# Altium PCB GridSeed_Rev03.PcbDoc (part 1 of 5)
Units mm, origin at the board's own origin, x right, y up, seen from the top; angles counter-clockwise.
Board outline 91 x 132.3 mm, 4 copper layers (L1, L2, L3, L4), stack 1.577 mm thick; 522 components, 141 nets, 2177 pads, 2361 vias.
Unrouted connection lines stored in the file: 44.
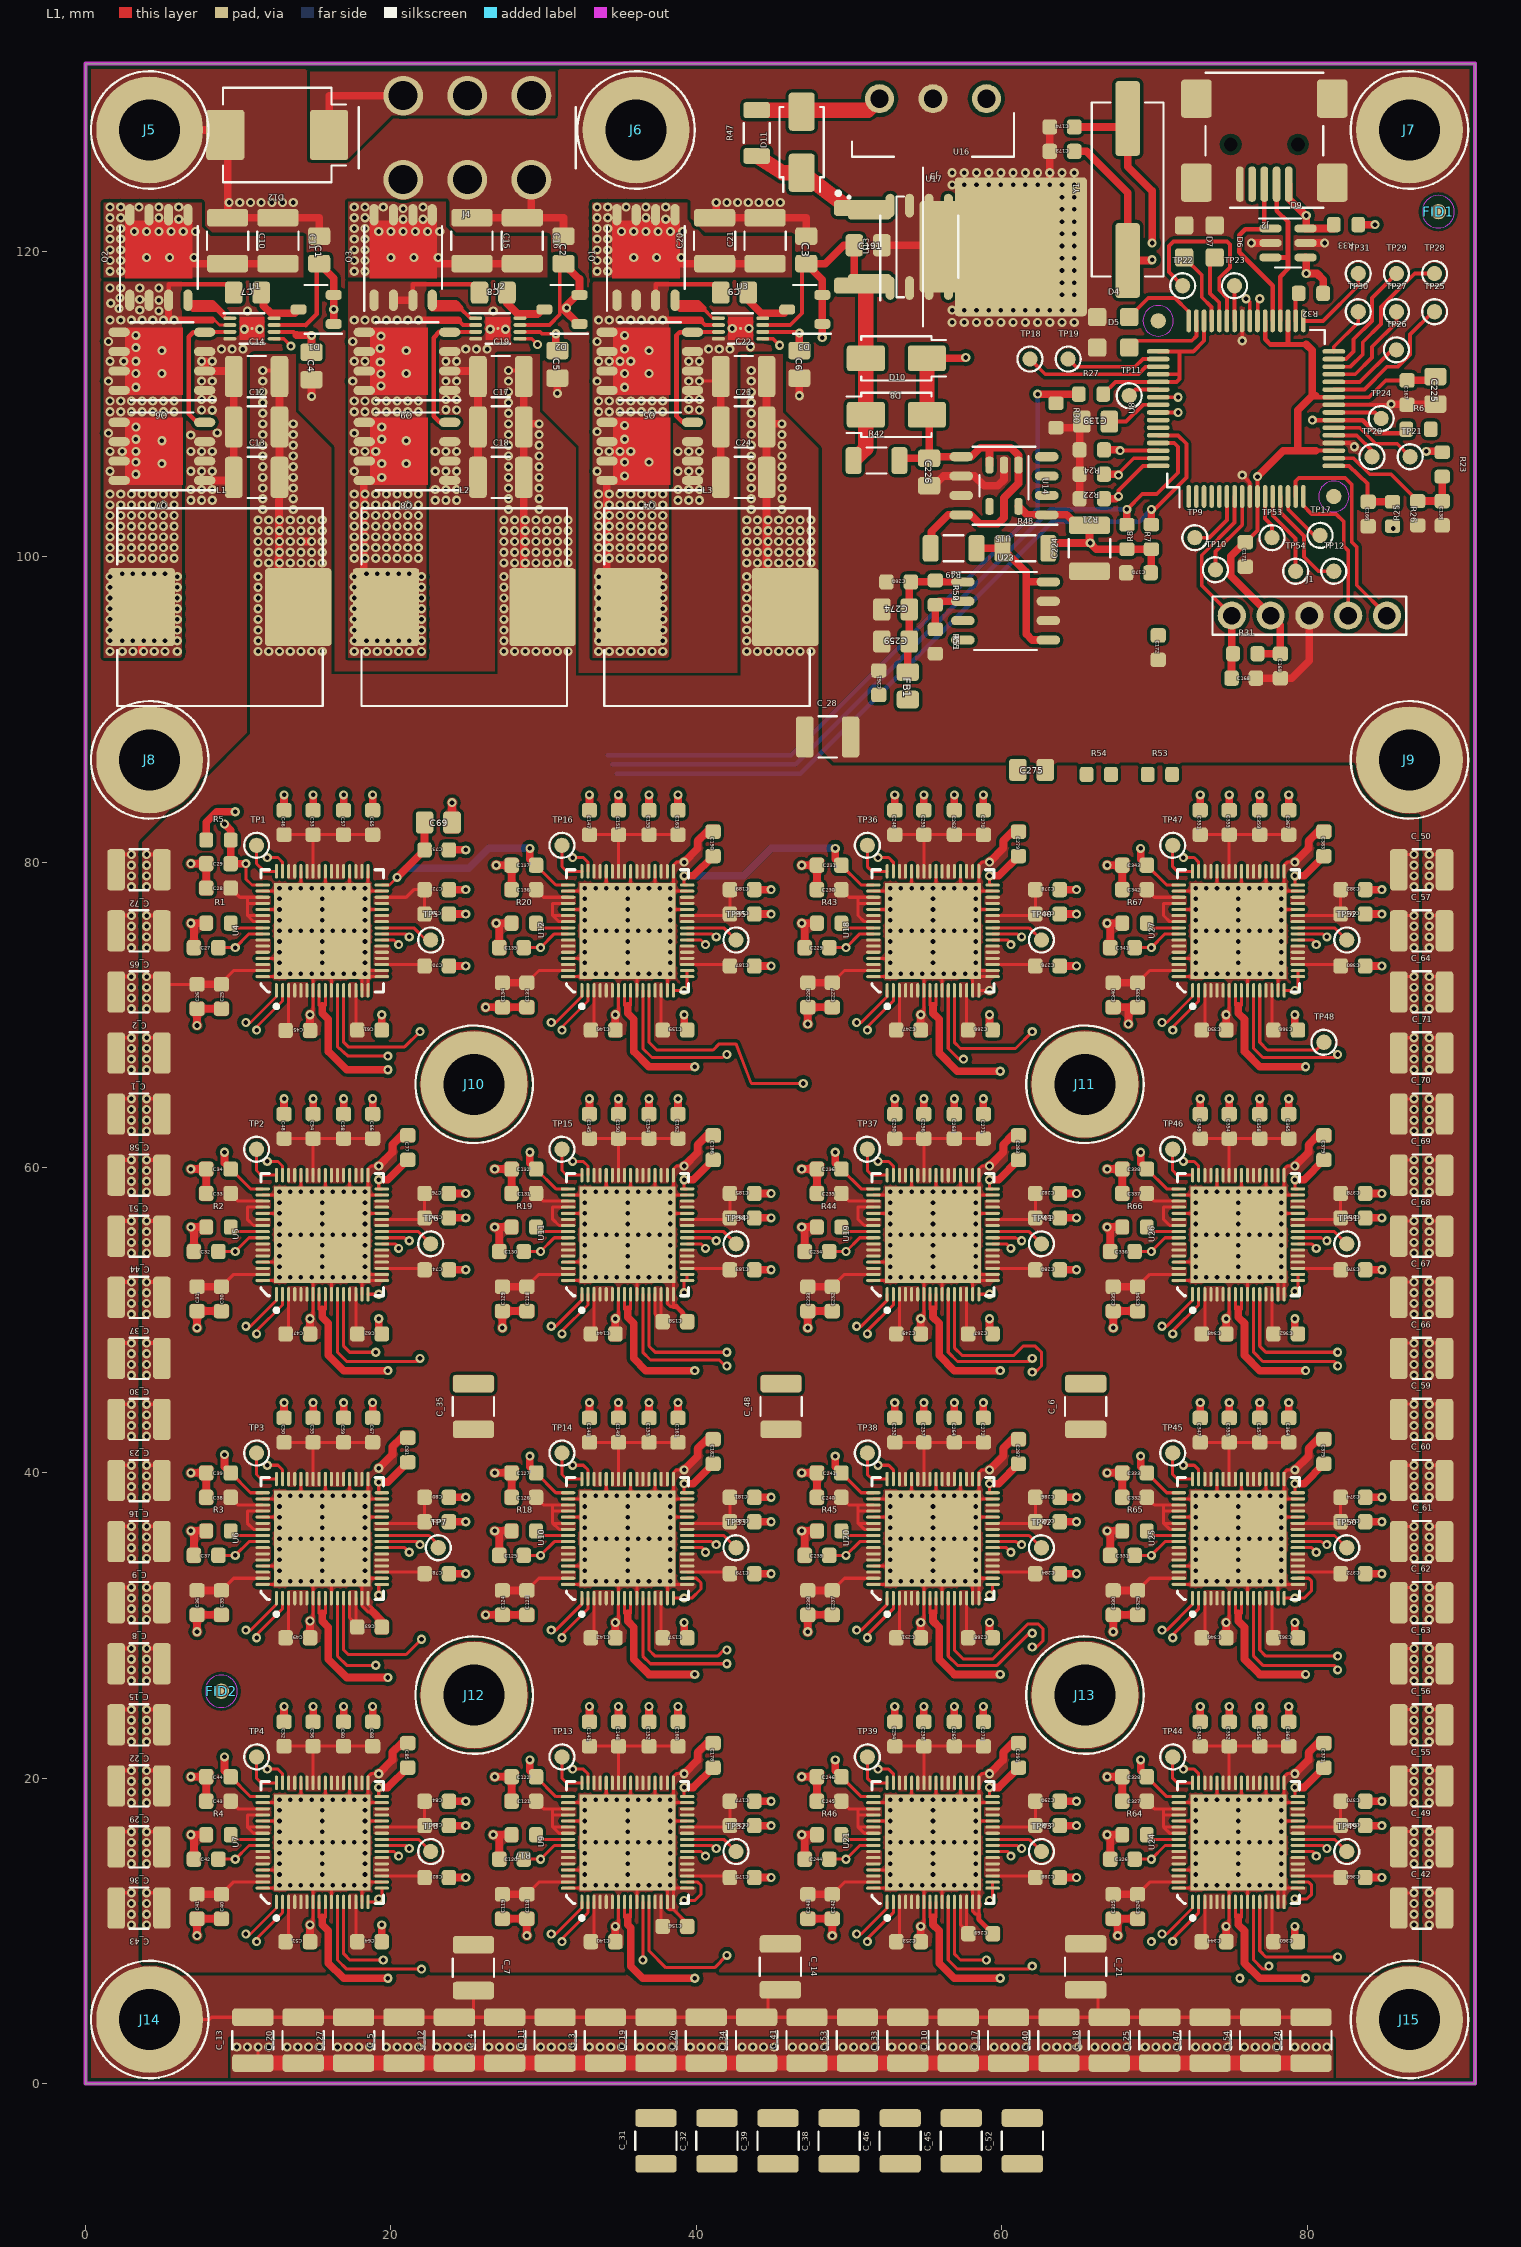
[diagram p0: L1 view]
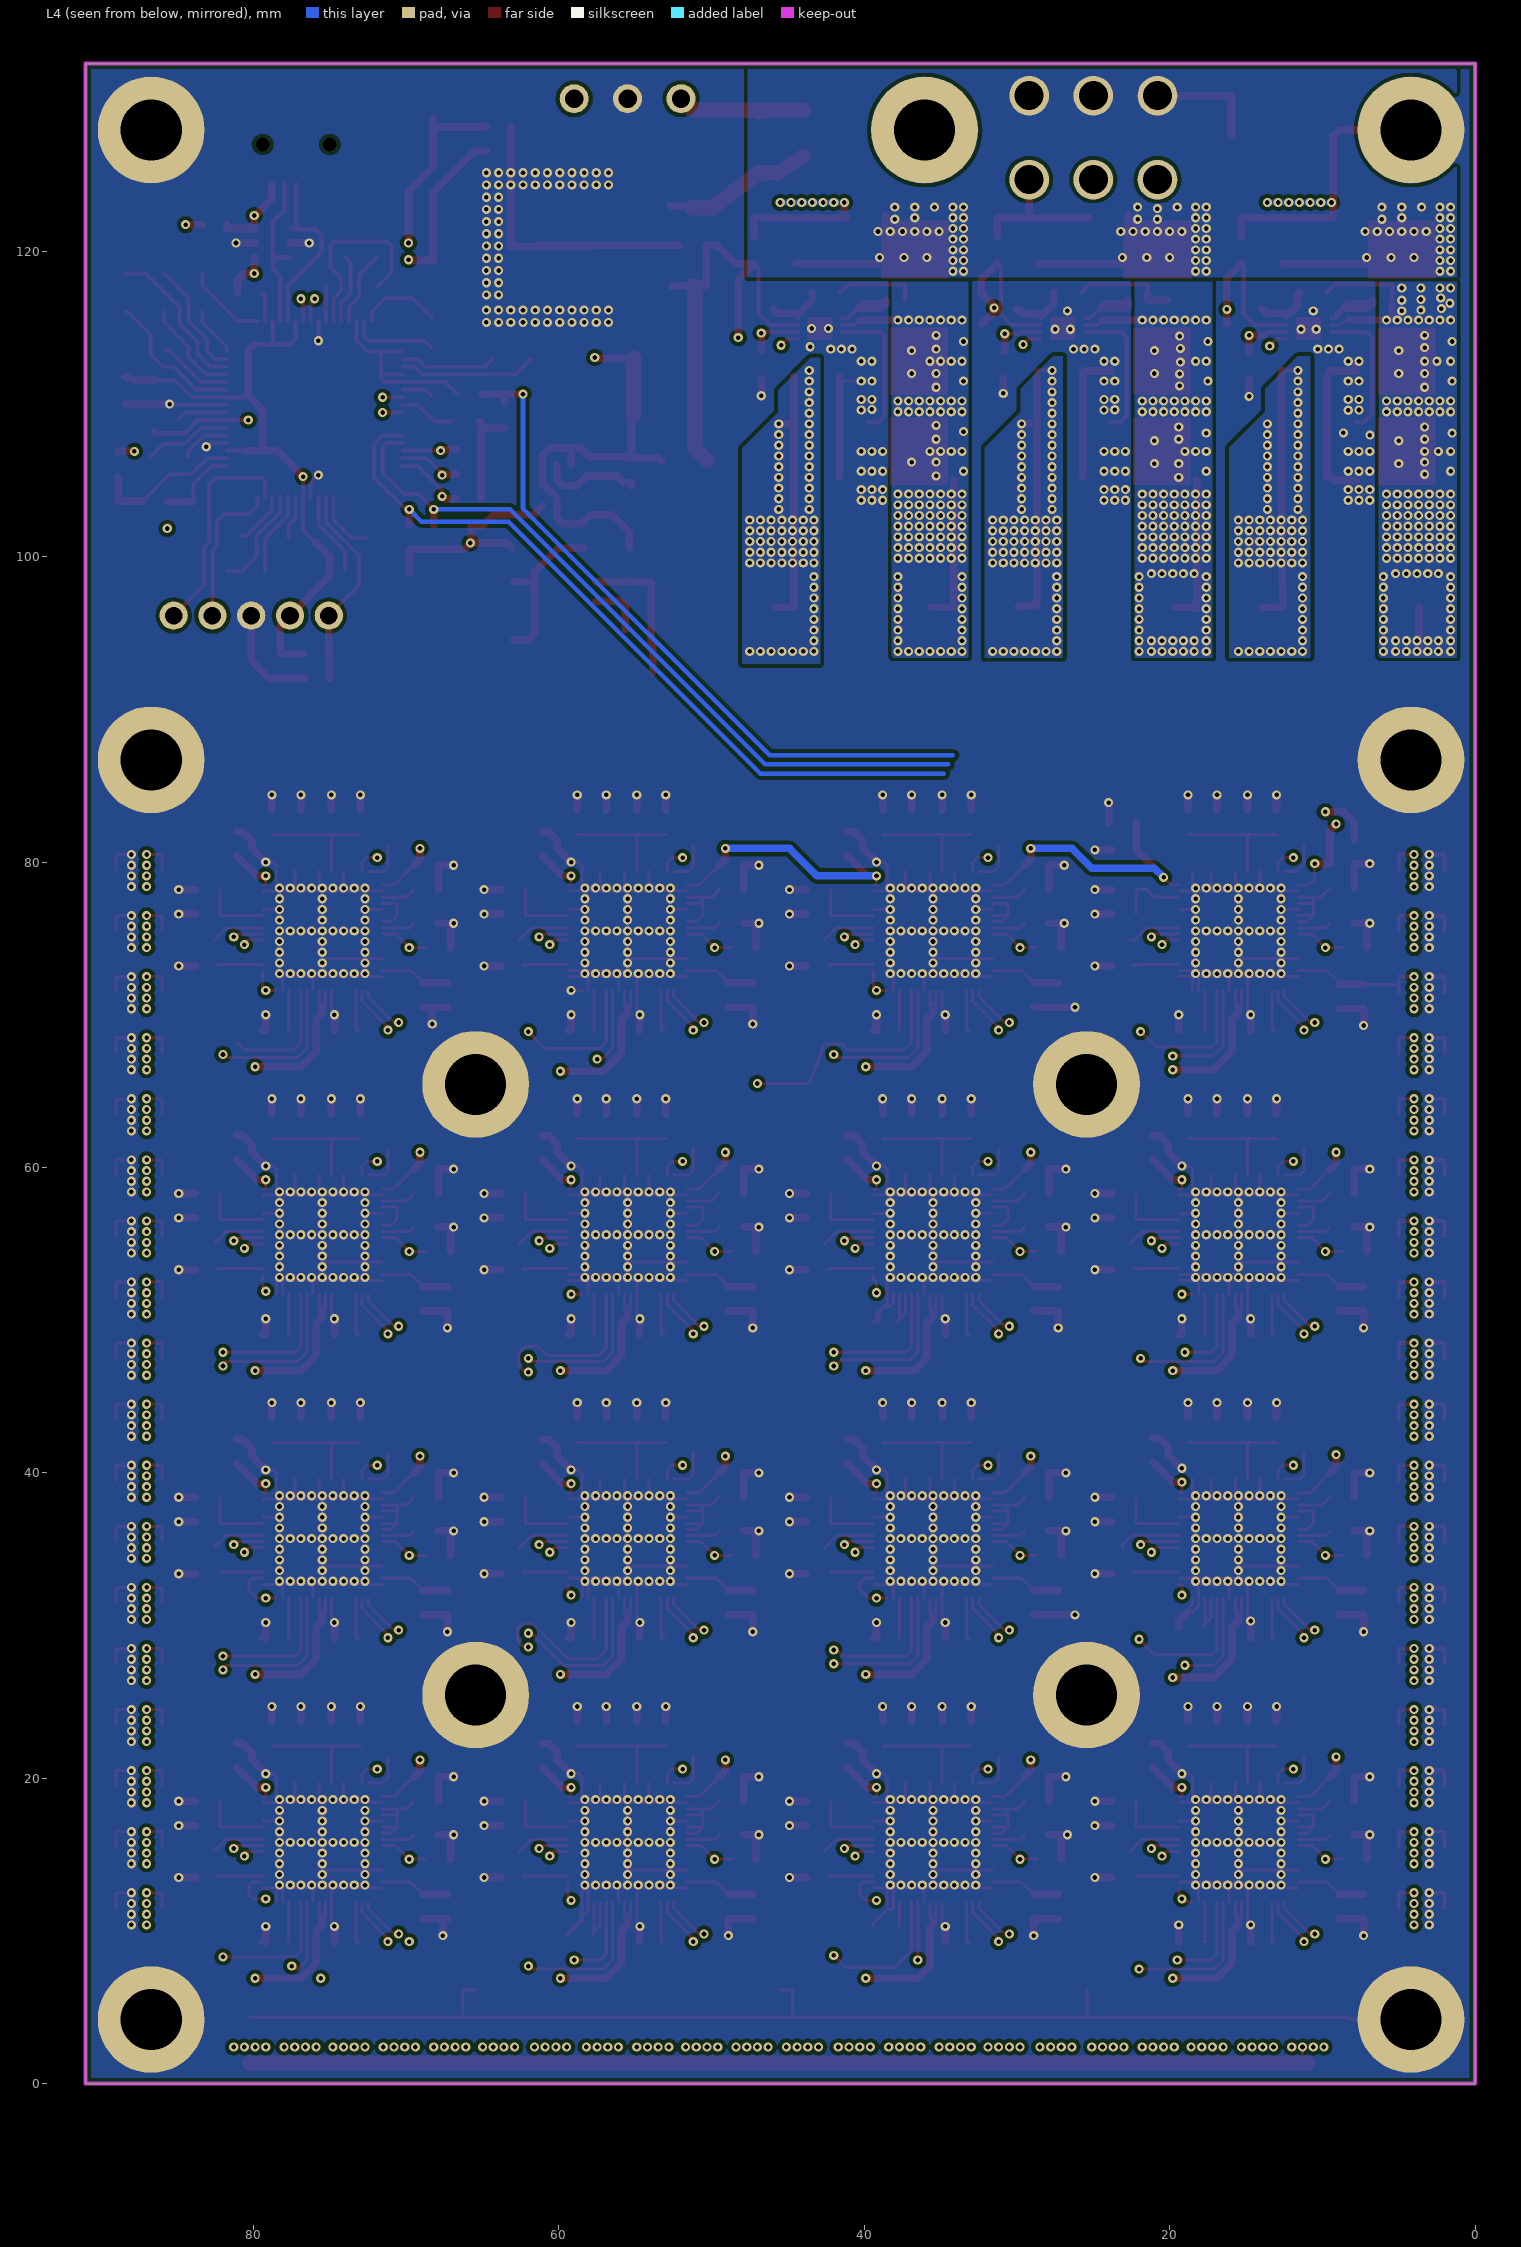
[diagram p1: L4 view, seen from below]
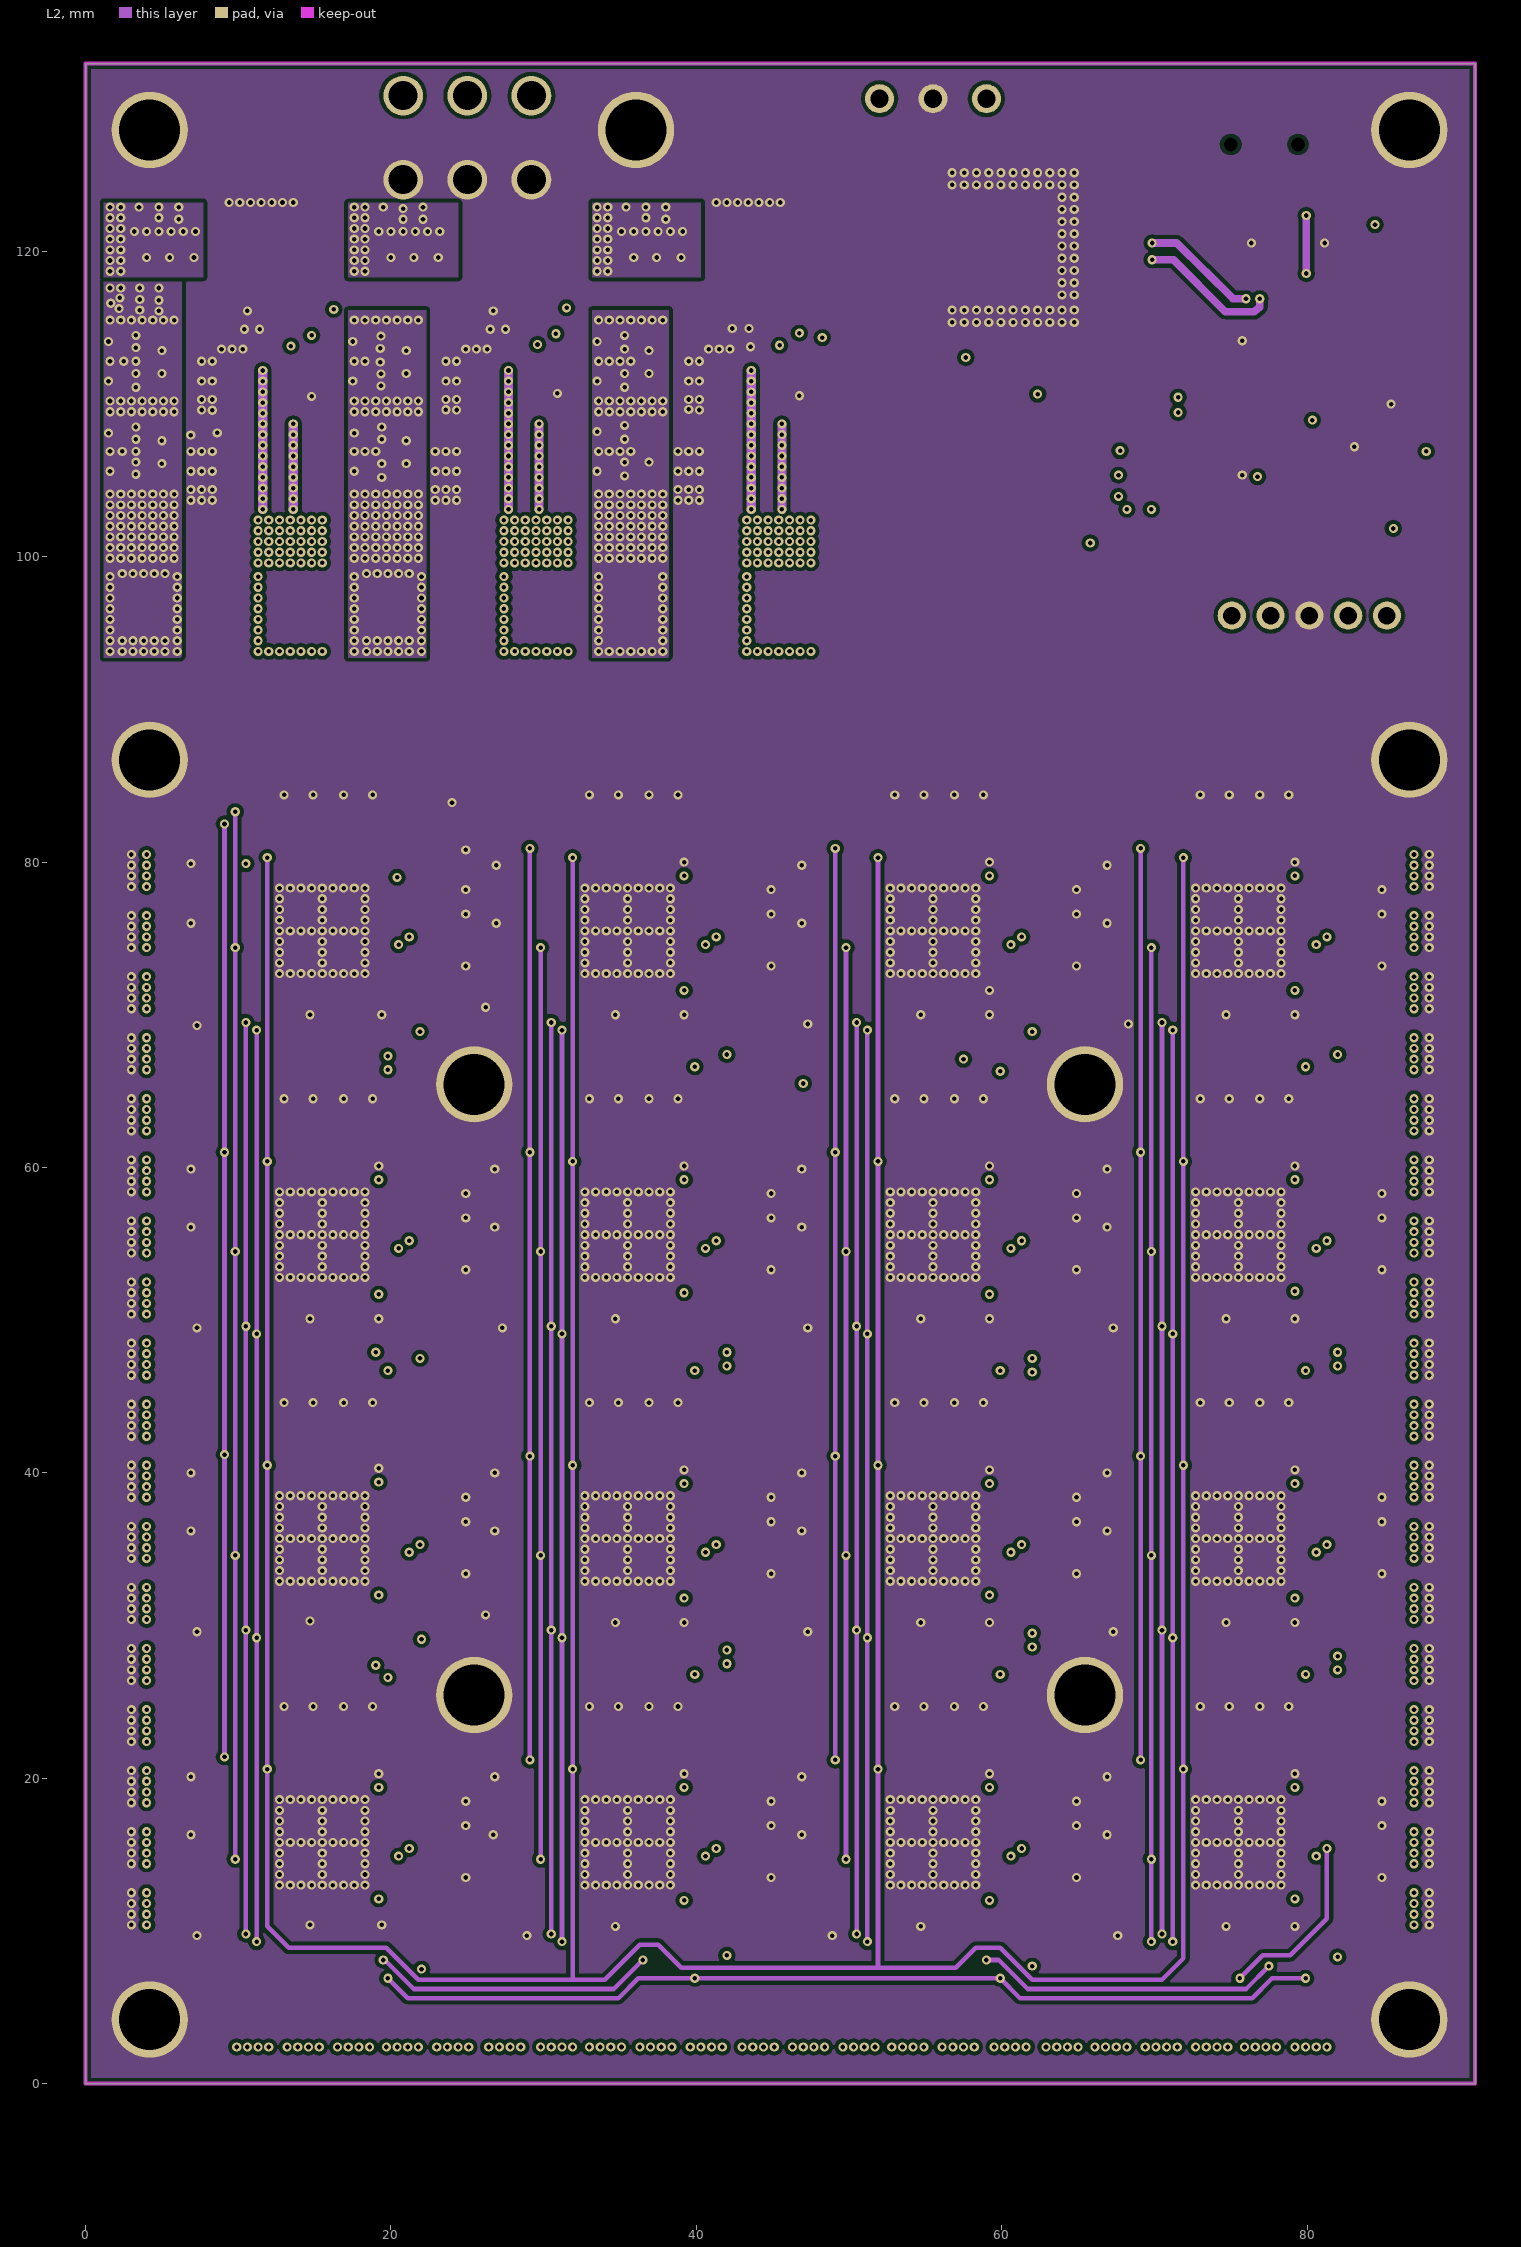
[diagram p2: L2]